# KiCad board yellow_panda.kicad_pcb (continued)
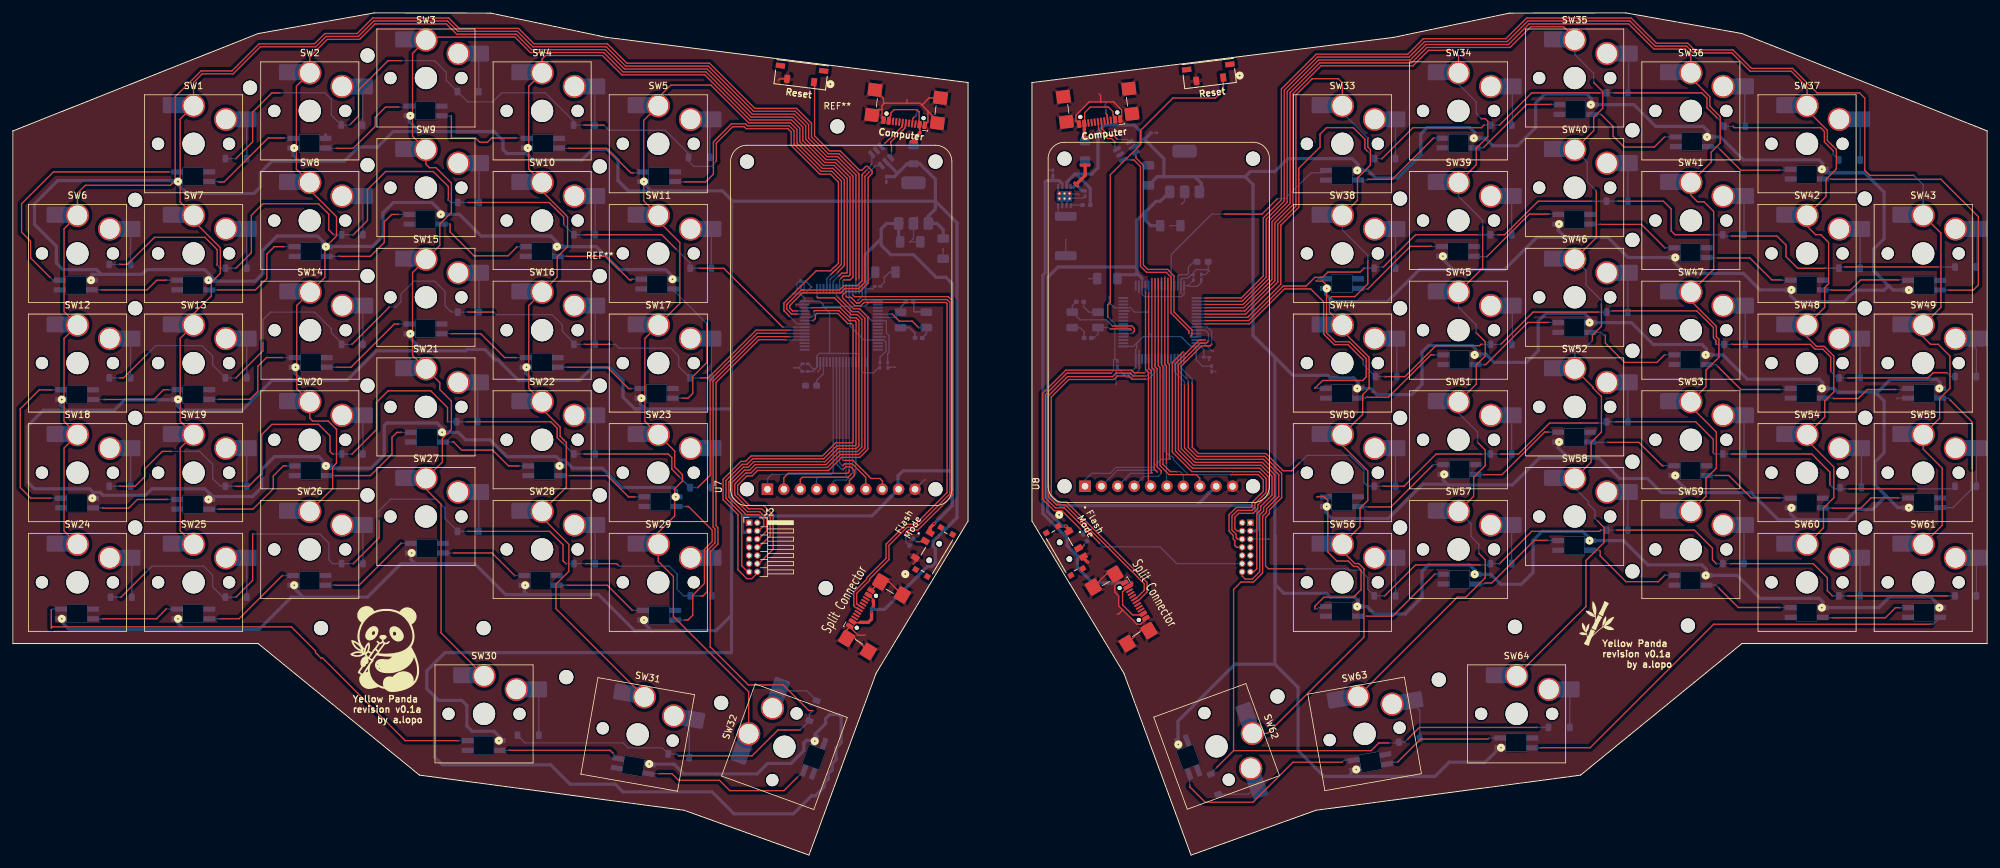
[diagram p0: board, top side]
## Routing (per net, layer and track width the routed paths; a pad name or vN(x,y) marks a point on that pad's centre or on a via; arc(x,y) is an arc through that point) (continued)
  Bottom w0.2: U4.27 v1(178.98,89.43) ; v1(179.34,61.4) 177.94,61.4 176.67,60.13 170.95,60.13 170.02,59.2 167.14,59.2 166.12,58.18 U8.1
SDAa: length 71.8
  Top w0.2: v1(129.83,85.84) 130.5,85.17 131.35,85.17 131.88,85.7 144.57,85.7 144.74,85.52 144.74,56.2 139.84,51.3 138.37,51.3 135.29,48.22 135.29,46.01 132.29,43.01 132.29,42.79 130.29,40.79 130.29,38.81 130.34,38.76 130.34,38.6 130.55,38.39 130.69,38.39
  Bottom w0.2: U3.59 129.6,86.93 129.6,86.92 129.6,86.07 v1(129.83,85.84)
SDAb: length 58.4
  Top w0.2: v1(175.34,74.3) 173.59,74.3 173.14,74.75 170.94,74.75 170.39,74.2 163.42,74.2 160.44,71.23 160.44,55.57 161.72,54.3 163.08,54.3 175.29,42.09 175.29,41.04 174.28,40.03
  Bottom w0.2: v1(175.34,74.3) 175.64,74.3 176.48,75.13 U4.59
SDCSa: length 22.6
  Top w0.2: v1(128.62,59.8) 129.04,60.22 129.8,60.22 130.35,59.66 130.35,58.81 129.62,58.08 U7.6
  Bottom w0.2: U3.26 127.6,75.46 127.64,75.42 127.64,60.63 128.47,59.8 128.65,59.8 128.64,59.79 128.63,59.79 v1(128.62,59.8)
SDCSb: length 33.8
  Top w0.2: v1(178.48,89.6) 178.48,76.17 178.74,75.9 v1(178.74,60.8)
  Bottom w0.2: 178.48,89.61 v1(178.48,89.6) U4.26 ; v1(178.74,60.8) 178.74,57.28 U8.6
SWCLKa: length 64.8
  Top w0.2: v1(124.54,86.6) 124.74,86.4 127.31,86.4 127.32,86.39 127.32,86.39 129.89,83.82 130.82,83.82 131.54,83.1 131.54,63.28 130.84,62.58 128.03,62.58 126,60.55 115.02,60.55 114.17,59.7 113.37,59.7 111.39,57.73 111.39,55.67 113.82,53.25 115.73,53.25 116.79,52.19 116.79,50.25 115.34,48.8
  Bottom w0.2: U3.49 124.6,86.66 v1(124.54,86.6)
SWCLKb: length 47.6
  Top w0.2: v1(181.31,78.04) 179.64,76.37 179.64,62.5 182.67,59.48 188.94,59.48 188.96,59.45 193.13,59.45 194.19,58.39 194.19,56.21 192.44,54.46 192.44,53.9 191.99,53.45 189.76,53.45 188.89,52.59 188.89,50.41 189.54,49.76 189.54,49.2 189.74,49 J1.6
  Bottom w0.2: v1(181.31,78.04) 181.48,77.86 181.48,76.96
SWDIOa: length 62.7
  Top w0.2: v1(123.74,84.89) 128.18,84.89 129.74,83.33 130.67,83.33 131.09,82.91 131.09,63.46 130.66,63.03 127.84,63.03 125.82,61 114.79,61 113.94,60.15 113.18,60.15 110.94,57.91 110.94,55.49 113.63,52.8 115.54,52.8 116.34,52 116.34,51.07 115.34,50.07
  Bottom w0.2: v1(123.74,84.89) U3.46
SWDIOb: length 50
  Top w0.2: v1(184.73,79.88) 183.83,79.88 181.78,77.84 181.78,77.84 181.5,77.56 181.5,77.56 180.14,76.2 180.14,62.64 182.78,60 193.22,60 194.64,58.57 194.64,56.03 192.89,54.27 192.89,53.71 192.18,53 189.94,53 189.34,52.4 189.34,50.6 189.67,50.27 J1.4
  Bottom w0.2: 184.78,79.84 v1(184.73,79.88) U4.46
SWOa: length 63.9
  Top w0.2: v1(127.77,86.61) 127.77,86.58 130.07,84.27 131.01,84.27 132.02,83.26 132.02,63.11 131.03,62.13 128.22,62.13 126.19,60.1 115.21,60.1 114.36,59.25 113.56,59.25 111.84,57.54 111.84,55.86 114,53.7 116.04,53.7 117.34,52.4 117.34,49.53 115.34,47.53
  Bottom w0.2: v1(127.77,86.61) 127.73,86.61 127.6,86.74 U3.55
SWOb: length 46.9
  Top w0.2: J1.8 189.61,47.73 189.34,48 189.34,48.76 189.09,49.01 189.09,49.58 188.44,50.23 188.44,52.77 189.57,53.9 191.81,53.9 191.99,54.08 191.99,54.65 193.74,56.4 193.74,58.2 192.94,59 v1(188.74,59)
  Bottom w0.2: U4.55 178.48,62.67 179.27,61.88 179.54,61.88 179.82,61.6 179.82,61.32 182.14,59 v1(188.74,59)
UART_RXa: length 66.8
  Top w0.2: 114.07,43.72 112.94,44.85 112.94,52.85 110.49,55.3 110.49,58.1 113,60.6 113.76,60.6 114.61,61.45 125.63,61.45 127.66,63.48 130.47,63.48 130.64,63.65 130.64,82.72 130.48,82.88 129.55,82.88 127.99,84.44 124.25,84.44 v1(124.14,84.32)
  Bottom w0.2: v1(124.14,84.32) 124.14,83.78 123.75,83.39 U3.43
UART_RXb: length 55.3
  Top w0.2: v1(185.25,79.78) 185.21,79.74 185.21,79.69 184.93,79.41 183.99,79.41 182.23,77.65 182.23,77.65 181.69,77.11 181.69,77.11 180.59,76.01 180.59,62.82 182.97,60.45 193.4,60.45 195.1,58.76 195.1,55.84 193.34,54.09 193.34,53.52 192.74,52.92 192.74,44.4 192.26,43.92 J1.13
  Bottom w0.2: U4.43 184.76,81.38 185.25,80.89 v1(185.25,79.78)
UART_TXa: length 68.6
  Top w0.2: 115.34,43.72 114.49,42.87 113.72,42.87 112.34,44.25 112.34,52.8 110.04,55.1 110.04,58.29 112.81,61.06 113.54,61.06 114.39,61.91 125.44,61.91 127.47,63.93 130.07,63.93 130.19,64.05 130.19,82.15 129.92,82.43 129.36,82.43 127.81,83.99 124.53,83.99 124.34,83.8 124.34,83.2 124.03,82.89 v1(123.98,82.89)
  Bottom w0.2: v1(123.98,82.89) U3.42
UART_TXb: length 59.7
  Top w0.2: J1.14 190.47,43.27 190.94,42.8 192.04,42.8 193.19,43.95 193.19,52.74 193.79,53.34 193.79,53.9 195.55,55.65 195.55,58.95 193.59,60.9 183.15,60.9 181.04,63.01 181.04,72.93 181.05,72.93 181.05,74.07 181.04,74.07 181.04,75.83 181.88,76.66 184.18,78.96 185.5,78.96 v1(185.74,79.2)
  Bottom w0.2: U4.42 185.06,81.88 185.74,81.2 v1(185.74,79.2)
USBDa+: length 37.3
  Top w0.2: v1(121.54,83.89) 120.67,83.89 119.92,84.64 119.92,85.41 122.13,87.63 122.37,87.63 128.09,87.63 128.77,88.3 130.85,88.3 131.58,89.03 131.58,105.51 v1(132.27,106.2)
  Bottom w0.2: v1(121.54,83.89) U3.44 ; v1(132.27,106.2) 132.92,106.85 132.92,107.07 133.08,107.24 U5.1
USBDa-: length 35.7
  Top w0.2: v1(121.54,84.39) 120.8,84.39 120.37,84.82 120.37,85.23 122.32,87.17 128.28,87.17 128.96,87.85 131.04,87.85 131.54,88.36 131.54,88.36 132.03,88.85 132.03,105.26 v1(132.66,105.89)
  Bottom w0.2: v1(132.66,105.89) 132.66,105.91 133.66,106.92 U5.6 ; v1(121.54,84.39) U3.45
USBDb+: length 35.1
  Top w0.2: v1(182.22,80.9) 182.22,81.28 179.45,84.05 179.45,89.63 178.71,90.38 175.65,90.38 174.72,91.31 174.72,106.78 173.68,107.81 v1(173.34,107.81)
  Bottom w0.2: v1(182.22,80.9) 182.23,80.88 U4.44 ; U6.1 v1(173.34,107.81)
USBDb-: length 34.9
  Top w0.2: v1(174,108.4) 174,108.13 175.17,106.96 175.17,91.49 175.84,90.83 178.93,90.83 179.19,90.56 179.19,90.53 179.9,89.82 179.9,84.23 182.7,81.44 182.7,80.7 182.54,80.54 v1(182.54,80.39)
  Bottom w0.2: v1(182.54,80.39) 182.55,80.39 182.56,80.38 U4.45 ; U6.6 v1(174,108.4)
Net-(D6-A): length 6.3
  Bottom w0.2: 35.84,114.1 36.23,113.71 D6.2
Net-(D7-A): length 6.1
  Bottom w0.2: D7.2 54.18,118.87 SW2.2
Net-(D8-A): length 6
  Bottom w0.2: SW3.2 72.18,123.97 D8.2
Net-(D9-A): length 6.1
  Bottom w0.2: D9.2 90.18,118.87 SW4.2
Net-(D10-A): length 6
  Bottom w0.2: D10.2 107.98,113.97 SW5.2
Net-(D11-A): length 5.7
  Bottom w0.2: SW6.2 18.23,96.72 D11.2
Net-(D12-A): length 6.3
  Bottom w0.2: SW7.2 36.23,96.72 D12.2
Net-(D13-A): length 6.2
  Bottom w0.2: D13.2 54.23,101.82 SW8.2
Net-(D14-A): length 6.3
  Bottom w0.2: D14.2 72.23,106.92 SW9.2
Net-(D15-A): length 6.2
  Bottom w0.2: SW10.2 90.23,101.82 D15.2
Net-(D16-A): length 6.3
  Bottom w0.2: SW11.2 108.23,96.72 D16.2
Net-(D17-A): length 6.3
  Bottom w0.2: D17.2 18.23,79.72 SW12.2
Net-(D18-A): length 6.3
  Bottom w0.2: SW13.2 36.23,79.72 D18.2
Net-(D19-A): length 6.1
  Bottom w0.2: SW14.2 54.23,84.87 D19.2
Net-(D20-A): length 6.3
  Bottom w0.2: SW15.2 72.23,89.92 D20.2
Net-(D21-A): length 6.2
  Bottom w0.2: SW16.2 90.23,84.82 D21.2
Net-(D22-A): length 6.3
  Bottom w0.2: D22.2 108.23,79.72 SW17.2
Net-(D23-A): length 6.1
  Bottom w0.2: SW18.2 18.23,62.72 D23.2
Net-(D24-A): length 6.1
  Bottom w0.2: D24.2 36.23,62.72 SW19.2
Net-(D25-A): length 6.2
  Bottom w0.2: D25.2 54.23,67.82 SW20.2
Net-(D26-A): length 6.2
  Bottom w0.2: SW21.2 72.03,73.12 D26.2
Net-(D27-A): length 6.2
  Bottom w0.2: D27.2 90.23,67.82 SW22.2
Net-(D28-A): length 6.3
  Bottom w0.2: SW23.2 108.23,62.72 D28.2
Net-(D29-A): length 6.3
  Bottom w0.2: SW24.2 18.43,45.52 D29.2
Net-(D30-A): length 6.3
  Bottom w0.2: SW25.2 36.23,45.72 D30.2
Net-(D31-A): length 6.2
  Bottom w0.2: D31.2 54.23,50.82 SW26.2
Net-(D32-A): length 6.2
  Bottom w0.2: D32.2 72.18,55.97 SW27.2
Net-(D33-A): length 6.2
  Bottom w0.2: D33.2 90.23,50.82 SW28.2
Net-(D34-A): length 6.1
  Bottom w0.2: D34.2 108.28,45.67 SW29.2
Net-(D35-A): length 7.4
  Bottom w0.2: D35.2 81.48,25.07 SW30.2
Net-(D36-A): length 6.1
  Bottom w0.2: D36.2 104.8,20.69 SW31.2
Net-(D37-A): length 6.5
  Bottom w0.2: SW32.2 123.02,25.48 D37.2
Net-(D38-A): length 6.5
  Bottom w0.2: SW33.2 213.85,114.09 214.54,113.4 214.23,113.09 D38.2
Net-(D39-A): length 6.3
  Bottom w0.2: SW34.2 232.34,118.71 232.34,113.31 D39.2
Net-(D40-A): length 6.4
  Bottom w0.2: D40.2 250.34,118.31 250.34,123.81 SW35.2
Net-(D41-A): length 6.4
  Bottom w0.2: SW36.2 268.34,118.71 268.34,113.09 D41.2
Net-(D42-A): length 6.7
  Bottom w0.2: SW37.2 285.85,114.09 286.54,113.4 286.23,113.09 D42.2
Net-(D43-A): length 6.3
  Bottom w0.2: SW38.2 214.23,96.72 D43.2
Net-(D44-A): length 6.2
  Bottom w0.2: D44.2 232.23,101.82 SW39.2
Net-(D45-A): length 6.1
  Bottom w0.2: D45.2 250.23,106.92 SW40.2
Net-(D46-A): length 6.2
  Bottom w0.2: D46.2 268.23,101.82 SW41.2
Net-(D47-A): length 6.3
  Bottom w0.2: D47.2 286.23,96.72 SW42.2
Net-(D48-A): length 6.3
  Bottom w0.2: D48.2 304.14,91.2 304.34,91.4 304.34,96.61 SW43.2
Net-(D49-A): length 6.2
  Bottom w0.2: D49.2 214.43,79.29 214.54,79.4 213.85,80.09 SW44.2
Net-(D50-A): length 6.3
  Bottom w0.2: SW45.2 232.34,84.71 232.34,79.31 D50.2
Net-(D51-A): length 6.4
  Bottom w0.2: D51.2 250.23,89.69 250.34,89.8 249.85,90.29 SW46.2
Net-(D52-A): length 6.2
  Bottom w0.2: D52.2 268.43,84.51 267.85,85.09 SW47.2
Net-(D53-A): length 6.4
  Bottom w0.2: D53.2 286.23,79.61 286.34,79.61 SW48.2
Net-(D54-A): length 6.1
  Bottom w0.2: D54.2 304.23,78.49 303.85,78.87 SW49.2
Net-(D55-A): length 6.1
  Bottom w0.2: SW50.2 214.23,62.72 D55.2
Net-(D56-A): length 6.2
  Bottom w0.2: SW51.2 232.23,67.82 D56.2
Net-(D57-A): length 6.3
  Bottom w0.2: D57.2 250.23,72.92 SW52.2
Net-(D58-A): length 6.2
  Bottom w0.2: SW53.2 268.23,67.82 D58.2
Net-(D59-A): length 6.3
  Bottom w0.2: D59.2 286.43,62.52 SW54.2
Net-(D60-A): length 6.1
  Bottom w0.2: SW55.2 304.23,62.72 D60.2
Net-(D61-A): length 6.1
  Bottom w0.2: SW56.2 214.23,45.72 D61.2
Net-(D62-A): length 6.2
  Bottom w0.2: SW57.2 232.23,50.82 D62.2
Net-(D63-A): length 6.1
  Bottom w0.2: SW58.2 250.23,55.92 D63.2
Net-(D64-A): length 6.2
  Bottom w0.2: D64.2 268.23,50.82 SW59.2
Net-(D65-A): length 6.1
  Bottom w0.2: SW60.2 286.23,45.72 D65.2
Net-(D66-A): length 6.1
  Bottom w0.2: SW61.2 304.23,45.72 D66.2
Net-(D67-A): length 6.6
  Bottom w0.2: D67.2 191.43,9.45 SW62.2
Net-(D68-A): length 6.4
  Bottom w0.2: D68.2 218,22.42 SW63.2
Net-(D69-A): length 6.1
  Bottom w0.2: D69.2 241.23,25.32 SW64.2
Net-(LED1-DOUT): length 14.7
  Top w0.2: v1(86.14,109.6) 91.94,109.6 95.74,105.8 v1(96.14,105.8)
  Bottom w0.2: LED1.2 97.49,105.8 v1(96.14,105.8) ; LED2.4 84.7,109.6 v1(86.14,109.6)
Net-(LED2-DOUT): length 17.2
  Top w0.2: v1(67.94,114.6) 67.94,111.2 71.69,111.2 72.34,110.55 73.54,110.55 74.19,111.2 v1(77.94,111.2)
  Bottom w0.2: v1(67.94,114.6) 66.5,114.6 LED3.4 ; v1(77.94,111.2) 79.59,111.2 LED2.2
Net-(LED3-DOUT): length 16.6
  Top w0.2: v1(59.74,116) 57.74,116 56.14,114.4 56.14,113 52.74,109.6 v1(50.14,109.6)
  Bottom w0.2: v1(59.74,116) 61.29,116 LED3.2 ; LED4.4 48.5,109.6 v1(50.14,109.6)
Net-(LED4-DOUT): length 15.9
  Top w0.2: v1(41.94,111.2) 39.54,111.2 32.74,104.4 v1(31.94,104.4)
  Bottom w0.2: v1(31.94,104.4) 31.89,104.45 LED5.4 ; v1(41.94,111.2) 43.39,111.2 LED4.2
Net-(LED5-DOUT): length 41.1
  Top w0.2: v1(24.14,105.95) 6.29,105.95 1.34,101 1.34,96.6 2.74,95.2 2.74,92.6 v1(5.74,89.6)
  Bottom w0.2: LED6.4 6.19,89.15 v1(5.74,89.6) ; LED5.2 v1(24.14,105.95)
Net-(LED6-DOUT): length 13.8
  Top w0.2: v1(23.74,89.15) 22.29,89.15 20.79,87.65 v1(13.74,87.65)
  Bottom w0.2: v1(23.74,89.15) LED7.4 ; LED6.2 v1(13.74,87.65)
Net-(LED7-DOUT): length 18.2
  Top w0.2: v1(41.94,94.35) 40.49,94.35 39.34,93.2 39.34,89.4 37.59,87.65 v1(31.74,87.65)
  Bottom w0.2: v1(41.94,94.35) LED8.4 ; LED7.2 v1(31.74,87.65)
Net-(LED8-DOUT): length 17.4
  Top w0.2: v1(50.54,92.85) 55.39,92.85 57.54,95 57.54,98.2 58.69,99.35 v1(59.74,99.35)
  Bottom w0.2: LED8.2 v1(50.54,92.85) ; v1(59.74,99.35) LED9.4
Net-(LED10-DIN): length 16.3
  Top w0.2: v1(78.14,94.35) 76.73,92.93 71.43,92.93 67.74,96.62 v1(67.74,97.8)
  Bottom w0.2: LED9.2 67.69,97.85 v1(67.74,97.8) ; v1(78.14,94.35) LED10.4
Net-(LED10-DOUT): length 14.5
  Top w0.2: v1(95.94,89.3) 95.84,89.2 95.54,89.2 91.89,92.85 v1(85.74,92.85)
  Bottom w0.2: LED10.2 v1(85.74,92.85) ; v1(95.94,89.3) LED11.4
Net-(LED11-DOUT): length 22.7
  Top w0.2: v1(103.74,70.85) 104.59,70.85 105.34,71.6 105.34,74.2 107.54,76.4 v1(107.54,82.4)
  Bottom w0.2: v1(107.54,82.4) 102.35,87.6 LED11.2 ; v1(103.74,70.85) LED12.4
Net-(LED12-DOUT): length 14.2
  Top w0.2: v1(85.94,75.65) 92.09,75.65 95.39,72.35 v1(95.74,72.35)
  Bottom w0.2: v1(95.74,72.35) LED12.2 ; LED13.4 v1(85.94,75.65)
Net-(LED13-DOUT): length 14.5
  Top w0.2: v1(67.94,80.85) 72.49,80.85 76.19,77.15 v1(77.94,77.15)
  Bottom w0.2: v1(77.94,77.15) LED13.2 ; v1(67.94,80.85) LED14.4
Net-(LED14-DOUT): length 15.6
  Top w0.2: v1(50.14,75.65) 52.39,75.65 59.09,82.35 v1(59.74,82.35)
  Bottom w0.2: v1(50.14,75.65) LED15.4 ; LED14.2 v1(59.74,82.35)
Net-(LED15-DOUT): length 18.2
  Top w0.2: v1(31.94,70.67) 36.74,70.67 36.76,70.69 36.76,70.72 37.94,71.9 37.94,75.8 39.29,77.15 v1(41.74,77.15)
  Bottom w0.2: v1(31.94,70.67) LED16.4 ; LED15.2 v1(41.74,77.15)
Net-(LED16-DOUT): length 13.6
  Top w0.2: v1(24.14,72.17) 23.34,72.17 21.82,70.65 v1(14.14,70.65)
  Bottom w0.2: v1(24.14,72.17) LED16.2 ; LED17.4 v1(14.14,70.65)
Net-(LED17-DOUT): length 26.7
  Top w0.2: v1(5.74,55.35) 2.79,55.35 1.14,57 1.14,69.2 4.09,72.15 v1(5.94,72.15)
  Bottom w0.2: LED17.2 v1(5.94,72.15) ; v1(5.74,55.35) LED18.4
Net-(LED18-DOUT): length 13.6
  Top w0.2: v1(13.94,53.85) 13.99,53.8 17.94,53.8 19.29,55.15 v1(23.94,55.15)
  Bottom w0.2: v1(23.94,55.15) LED19.4 ; LED18.2 v1(13.94,53.85)
Net-(LED19-DOUT): length 17.1
  Top w0.2: v1(31.94,53.65) 37.19,53.65 40.34,56.8 40.34,58.8 41.89,60.35 v1(42.34,60.35)
  Bottom w0.2: LED19.2 v1(31.94,53.65) ; v1(42.34,60.35) LED20.4
Net-(LED20-DOUT): length 17.3
  Top w0.2: v1(60.14,65.55) 59.49,65.55 58.74,64.8 58.74,62.2 55.39,58.85 v1(50.02,58.85)
  Bottom w0.2: LED20.2 v1(50.02,58.85) ; v1(60.14,65.55) LED21.4
Net-(LED21-DOUT): length 14.7
  Top w0.2: v1(68.14,64.05) 68.29,64.05 69.54,62.8 74.34,62.8 76.79,60.35 v1(78.34,60.35)
  Bottom w0.2: v1(78.34,60.35) LED22.4 ; LED21.2 v1(68.14,64.05)
Net-(LED22-DOUT): length 14.4
  Top w0.2: v1(96.34,55.55) 95.39,55.55 92.09,58.85 v1(86.34,58.85)
  Bottom w0.2: v1(96.34,55.55) LED23.4 ; LED22.2 v1(86.34,58.85)
Net-(LED23-DOUT): length 24.5
  Top w0.2: v1(104.34,54.05) 104.69,54.05 108.34,50.4 108.34,48.6 107.14,47.4 107.14,47.2 107.15,47.2 107.15,42.11 105.34,40.3 105.34,37.2 104.59,36.45 v1(104.14,36.45)
  Bottom w0.2: v1(104.14,36.45) LED24.4 ; LED23.2 v1(104.34,54.05)
Net-(LED24-DOUT): length 15
  Top w0.2: v1(85.94,41.85) 92.09,41.85 v1(95.94,38)
  Bottom w0.2: LED25.4 v1(85.94,41.85) ; v1(95.94,38) 95.99,37.95 LED24.2
Net-(LED25-DOUT): length 14
  Top w0.2: v1(77.74,43.35) 74.24,46.85 v1(68.34,46.85)
  Bottom w0.2: v1(77.74,43.35) LED25.2 ; LED26.4 v1(68.34,46.85)
Net-(LED26-DOUT): length 15.9
  Top w0.2: v1(49.94,41.85) 53.64,41.85 v1(60.14,48.35)
  Bottom w0.2: LED27.4 v1(49.94,41.85) ; v1(60.14,48.35) LED26.2
Net-(LED27-DOUT): length 15.8
  Top w0.2: v1(32.14,36.65) 35.04,36.65 v1(41.74,43.35)
  Bottom w0.2: v1(41.74,43.35) LED27.2 ; LED28.4 v1(32.14,36.65)
Net-(LED28-DOUT): length 13.6
  Top w0.2: v1(23.74,38.15) 22.24,36.65 v1(13.94,36.65)
  Bottom w0.2: v1(23.74,38.15) LED28.2 ; LED29.4 v1(13.94,36.65)
Net-(LED29-DOUT): length 76.4
  Top w0.2: v1(68.94,17.75) 60.79,17.75 47.99,30.55 47.74,30.55 46.89,31.4 46.89,31.65 43.14,35.4 6.14,35.4 5.94,35.2 v1(5.94,38)
  Bottom w0.2: v1(5.94,38) 6.09,38.15 LED29.2 ; v1(68.94,17.75) LED30.4
Net-(LED30-DOUT): length 18.9
  Top w0.2: v1(76.94,16.25) 92.53,16.25 v1(92.96,15.82)
  Bottom w0.2: v1(92.96,15.82) LED31.4 ; LED30.2 v1(76.94,16.25)
Net-(LED31-DOUT): length 26.5
  Top w0.2: v1(121.51,12.03) 119.48,10 111.07,10 109.47,11.6 103.14,11.6 102.11,12.63 v1(100.14,12.63)
  Bottom w0.2: LED31.2 v1(100.14,12.63) ; v1(121.51,12.03) LED32.4
Net-(LED33-DOUT): length 15.8
  Top w0.2: v1(220.14,111.2) 213.74,104.8 v1(209.94,104.8)
  Bottom w0.2: LED33.2 209.81,104.67 v1(209.94,104.8) ; v1(220.14,111.2) 221.47,111.2 LED34.4
Net-(LED34-DOUT): length 15.9
  Top w0.2: v1(227.94,109.8) 234.54,116.4 v1(238.34,116.4)
  Bottom w0.2: LED35.4 239.61,116.4 v1(238.34,116.4) ; v1(227.94,109.8) 227.81,109.67 LED34.2
Net-(LED35-DOUT): length 16.7
  Top w0.2: v1(255.94,111.4) 254.34,109.8 249.64,109.8 247.94,111.5 247.94,113 v1(246.14,114.8)
  Bottom w0.2: LED36.4 255.97,111.37 v1(255.94,111.4) ; v1(246.14,114.8) 246.07,114.87 LED35.2
Net-(LED36-DOUT): length 14.4
  Top w0.2: v1(273.74,106.2) 267.74,106.2 v1(264.54,109.4)
  Bottom w0.2: LED37.4 275.29,106.2 v1(273.74,106.2) ; v1(264.54,109.4) 264.07,109.87 LED36.2
Net-(LED37-DOUT): length 43.4
  Top w0.2: v1(281.74,104.8) 298.74,104.8 304.54,99 304.54,88.4 303.74,87.6 v1(299.94,87.6)
  Bottom w0.2: v1(299.94,87.6) 298.68,87.6 LED38.4 ; LED37.2 281.69,104.85 v1(281.74,104.8)
Net-(LED38-DOUT): length 13.9
  Top w0.2: v1(292.14,89.2) 286.34,89.2 284.74,87.6 v1(281.74,87.6)
  Bottom w0.2: LED38.2 293.57,89.2 v1(292.14,89.2) ; v1(281.74,87.6) 281.69,87.65 LED44.4
Net-(LED39-DIN): length 31.9
  Top w0.2: v1(201.94,89) 202.94,89 203.54,88.4 203.54,81 204.94,79.6 207.09,79.6 209.69,77 209.69,74.15 209.14,73.6 202.94,73.6 201.77,72.43 201.74,72.43 v1(201.77,72.4)
  Bottom w0.2: v1(201.77,72.4) 203.41,72.4 LED39.4 ; v1(201.94,89) 202.31,89.37 LED40.2
Net-(LED39-DOUT): length 16
  Top w0.2: v1(220.14,77.57) 220.11,77.6 219.74,77.6 213.14,71 v1(209.74,71)
  Bottom w0.2: v1(209.74,71) 209.61,70.87 LED39.2 ; v1(220.14,77.57) LED45.4
Net-(LED40-DIN): length 15.8
  Top w0.2: v1(219.74,94.4) 216.54,94.4 v1(209.94,87.8)
  Bottom w0.2: v1(219.74,94.4) 219.77,94.37 LED41.2 ; v1(209.94,87.8) 208.51,87.8 LED40.4
Net-(LED41-DIN): length 15.8
  Top w0.2: v1(228.34,92.8) 228.38,92.8 234.98,99.4 v1(237.94,99.4)
  Bottom w0.2: LED42.2 239.39,99.4 v1(237.94,99.4) ; v1(228.34,92.8) 226.51,92.8 LED41.4
Net-(LED42-DIN): length 14.5
  Top w0.2: v1(245.94,97.8) 252.34,97.8 v1(255.94,94.2)
  Bottom w0.2: LED42.4 244.5,97.8 v1(245.94,97.8) ; LED43.2 255.97,94.17 v1(255.94,94.2)
Net-(LED43-DIN): length 14.5
  Top w0.2: v1(273.94,89.2) 272.54,89.2 269.14,92.6 v1(264.14,92.6)
  Bottom w0.2: v1(273.94,89.2) 273.99,89.15 LED44.2 ; v1(264.14,92.6) 262.51,92.6 LED43.4
Net-(LED45-DOUT): length 15.5
  Top w0.2: v1(237.94,82.6) 234.74,82.6 228.21,76.07 v1(227.94,76.07)
  Bottom w0.2: v1(237.94,82.6) 239.41,82.6 LED46.4 ; v1(227.94,76.07) LED45.2
Net-(LED46-DOUT): length 16.1
  Top w0.2: v1(246.74,80.6) 246.74,79.4 249.74,76.4 254.74,76.4 v1(255.94,77.6)
  Bottom w0.2: LED46.2 246.07,81.07 246.54,80.6 v1(246.74,80.6) ; v1(255.94,77.6) 257.41,77.6 LED47.4
Net-(LED47-DOUT): length 14.7
  Top w0.2: v1(264.14,75.8) 267.74,72.2 v1(273.74,72.2)
  Bottom w0.2: v1(264.14,75.8) 263.87,76.07 LED47.2 ; LED48.4 275.27,72.2 v1(273.74,72.2)
Net-(LED48-DOUT): length 13.9
  Top w0.2: v1(291.74,72.2) 287.34,72.2 285.94,70.8 v1(282.14,70.8)
  Bottom w0.2: LED48.2 282.07,70.87 v1(282.14,70.8) ; LED49.4 293.47,72.2 v1(291.74,72.2)
Net-(LED49-DOUT): length 22.9
  Top w0.2: v1(300.14,70.6) 303.54,67.2 v1(303.54,60)
  Bottom w0.2: LED49.2 299.87,70.87 v1(300.14,70.6) ; LED50.4 300.61,53.87 303.43,56.69 303.43,57.82 303.54,57.93 v1(303.54,60)
Net-(LED50-DOUT): length 13.9
  Top w0.2: v1(281.94,53.8) 286.34,53.8 287.94,55.4 v1(292.14,55.4)
  Bottom w0.2: LED56.4 280.5,53.8 v1(281.94,53.8) ; LED50.2 292.17,55.37 v1(292.14,55.4)
Net-(LED51-DIN): length 31.1
  Top w0.2: v1(201.74,38.2) 201.74,38.6 203.14,40 207.74,40 208.89,41.15 208.89,44.21 208.35,44.76 207.75,44.76 206.9,45.6 205.14,45.6 203.74,47 203.74,55 203.14,55.6 202.14,55.6 v1(202.09,55.55)
  Bottom w0.2: LED51.4 203.29,38.4 202.34,38.4 202.14,38.2 v1(201.74,38.2) ; v1(202.09,55.55) LED52.2
Net-(LED51-DOUT): length 15.9
  Top w0.2: v1(220.34,43.55) 220.29,43.55 213.79,37.05 v1(209.74,37.05)
  Bottom w0.2: v1(220.34,43.55) LED57.4 ; v1(209.74,37.05) LED51.2
Net-(LED52-DIN): length 15.9
  Top w0.2: v1(219.94,60.4) 213.54,54 v1(210.14,54)
  Bottom w0.2: LED53.2 220.09,60.55 v1(219.94,60.4) ; LED52.4 208.5,54 v1(210.14,54)
Net-(LED53-DIN): length 15.6
  Top w0.2: v1(227.94,59) 230.74,59 237.34,65.6 v1(237.94,65.6)
  Bottom w0.2: v1(227.94,59) 226.7,59 LED53.4 ; v1(237.94,65.6) 237.97,65.57 LED54.2
Net-(LED54-DIN): length 14.5
  Top w0.2: v1(247.14,64) 251.94,64 255.54,60.4 v1(255.74,60.4)
  Bottom w0.2: LED54.4 244.51,64 v1(247.14,64) ; LED55.2 257.41,60.4 v1(255.74,60.4)
Net-(LED55-DIN): length 14.5
  Top w0.2: v1(273.74,55.4) 269.34,55.4 265.87,58.87 v1(263.81,58.87)
  Bottom w0.2: v1(273.74,55.4) 275.39,55.4 LED56.2 ; v1(263.81,58.87) LED55.4
Net-(LED57-DOUT): length 15.6
  Top w0.2: v1(237.74,48.8) 235.74,48.8 229.14,42.2 v1(228.14,42.2)
  Bottom w0.2: LED57.2 227.99,42.05 v1(228.14,42.2) ; v1(237.74,48.8) 239.41,48.8 LED58.4
Net-(LED58-DOUT): length 15.9
  Top w0.2: v1(255.94,43.4) 254.94,42.4 249.94,42.4 245.94,46.4 v1(245.94,47.2)
  Bottom w0.2: v1(245.94,47.2) 245.87,47.27 LED58.2 ; v1(255.94,43.4) 257.41,43.4 LED59.4
Net-(LED59-DOUT): length 14.4
  Top w0.2: v1(264.34,41.4) 267.34,38.4 v1(273.74,38.4)
  Bottom w0.2: v1(264.34,41.4) 263.87,41.87 LED59.2 ; v1(273.74,38.4) 275.41,38.4 LED60.4
Net-(LED60-DOUT): length 13.9
  Top w0.2: v1(292.34,38.37) 291.71,38.37 290.14,36.8 v1(281.94,36.8)
  Bottom w0.2: v1(281.94,36.8) 280.51,36.8 LED60.2 ; v1(292.34,38.37) LED61.4
Net-(LED61-DOUT): length 71.6
  Top w0.2: v1(297.14,35.8) 263.54,35.8 244.39,16.65 v1(236.69,16.65)
  Bottom w0.2: v1(297.14,35.8) 297.57,35.8 LED61.2 ; v1(236.69,16.65) LED62.4
Net-(LED62-DOUT): length 19.2
  Top w0.2: v1(228.54,18) 218.14,18 v1(214.54,14.4)
  Bottom w0.2: LED62.2 228.69,18.15 v1(228.54,18) ; v1(214.54,14.4) 213.22,14.4 LED64.4
Net-(LED63-DIN): length 31.1
  Top w0.2: v1(205.94,14.4) 198.34,14.4 192.14,8.2 184.74,8.2 182.34,10.6 v1(182.34,10.8)
  Bottom w0.2: v1(182.34,10.8) 182.34,12.49 LED63.4 ; v1(205.94,14.4) 206.26,14.72 LED64.2
Net-(P1-CC): length 1
  Top w0.2: 139.41,114.03 139.41,114.19 v1(139.68,114.46)
  Bottom w0.2: v1(139.68,114.46) R1.2
Net-(P1-D+): length 5.8
  Top w0.2: 138.28,112.91 138.24,112.86 138.24,112.76 137.93,112.45 137.91,112.45 136.01,110.55 136.01,110.14 136.14,110 v1(136.14,109.2)
  Bottom w0.2: U5.4 136.14,108.28 v1(136.14,109.2)
Net-(P1-D-): length 4.5
  Top w0.2: v1(135.14,110.4) 135.74,111 135.82,111 137.72,112.9 137.74,112.9 137.79,112.95 137.79,112.97
  Bottom w0.2: v1(135.14,110.4) 134.62,109.88 U5.3
Net-(P2-CC): length 1.1
  Top w0.2: v1(169.34,115) 169.54,114.8 169.54,114.6 169.57,114.58 169.57,114.53
  Bottom w0.2: R2.2 169.4,115.06 v1(169.34,115)
Net-(P2-D+): length 6.3
  Top w0.1: 168.65,113.07 168.65,113.76 P2.A6
  Top w0.2: 168.65,113.07 168.73,113 168.73,112.65 169.76,111.62 170.52,111.62 v1(171.14,111)
  Bottom w0.2: v1(171.14,111) 172.64,111 U6.4
Net-(P2-D-): length 5.5
  Top w0.1: 168.14,113.4 168.21,113.33 168.21,112.99
  Top w0.2: 168.21,112.99 168.21,112.53 169.62,111.12 170.22,111.12 v1(170.74,110.6)
  Bottom w0.2: v1(170.74,110.6) 170.74,109.79 U6.3
Net-(U3-VCAP_1): length 4.1
  Bottom w0.2: U3.30 125.6,74.66 124.54,73.6 C25.2
Net-(U4-VCAP_1): length 5.7
  Bottom w0.2: U4.30 180.48,89.73 180.74,90 181.94,90 182.14,90.2 182.14,91.2 183.14,92.2
Net-(U9-ILIM): length 1.8
  Bottom w0.2: 163.17,99.07 R5.1 ; 161.97,100.8 161.97,99.07
Net-(U9-STAT): length 1.8
  Bottom w0.2: 163.92,100.8 R6.2

## Copper pours and planes (outline as drawn; the poured copper is in the pictures)
GND on Top, Bottom: -2.36,131.8 -2.83,-2.75 150.24,-2.51 150.24,132.32 97.94,131.8
GND on Top, Bottom: 154.74,-2.2 154.74,132.2 311.74,132.6 311.54,-2

## Text on the board
F.Silkscreen: Flash / Mode | Computer | Reset | Split Connector | Yellow Panda / revision v0.1a / by a.lopo
